# Altium PCB DM4K.pcbdoc (part 3 of 4)
Units mil, origin at the board's own origin, x right, y up, seen from the top; angles counter-clockwise.
Board outline 5262.35 x 2895 mil, 2 copper layers (Top Layer, Bottom Layer); 168 components, 255 nets, 1031 pads, 423 vias.
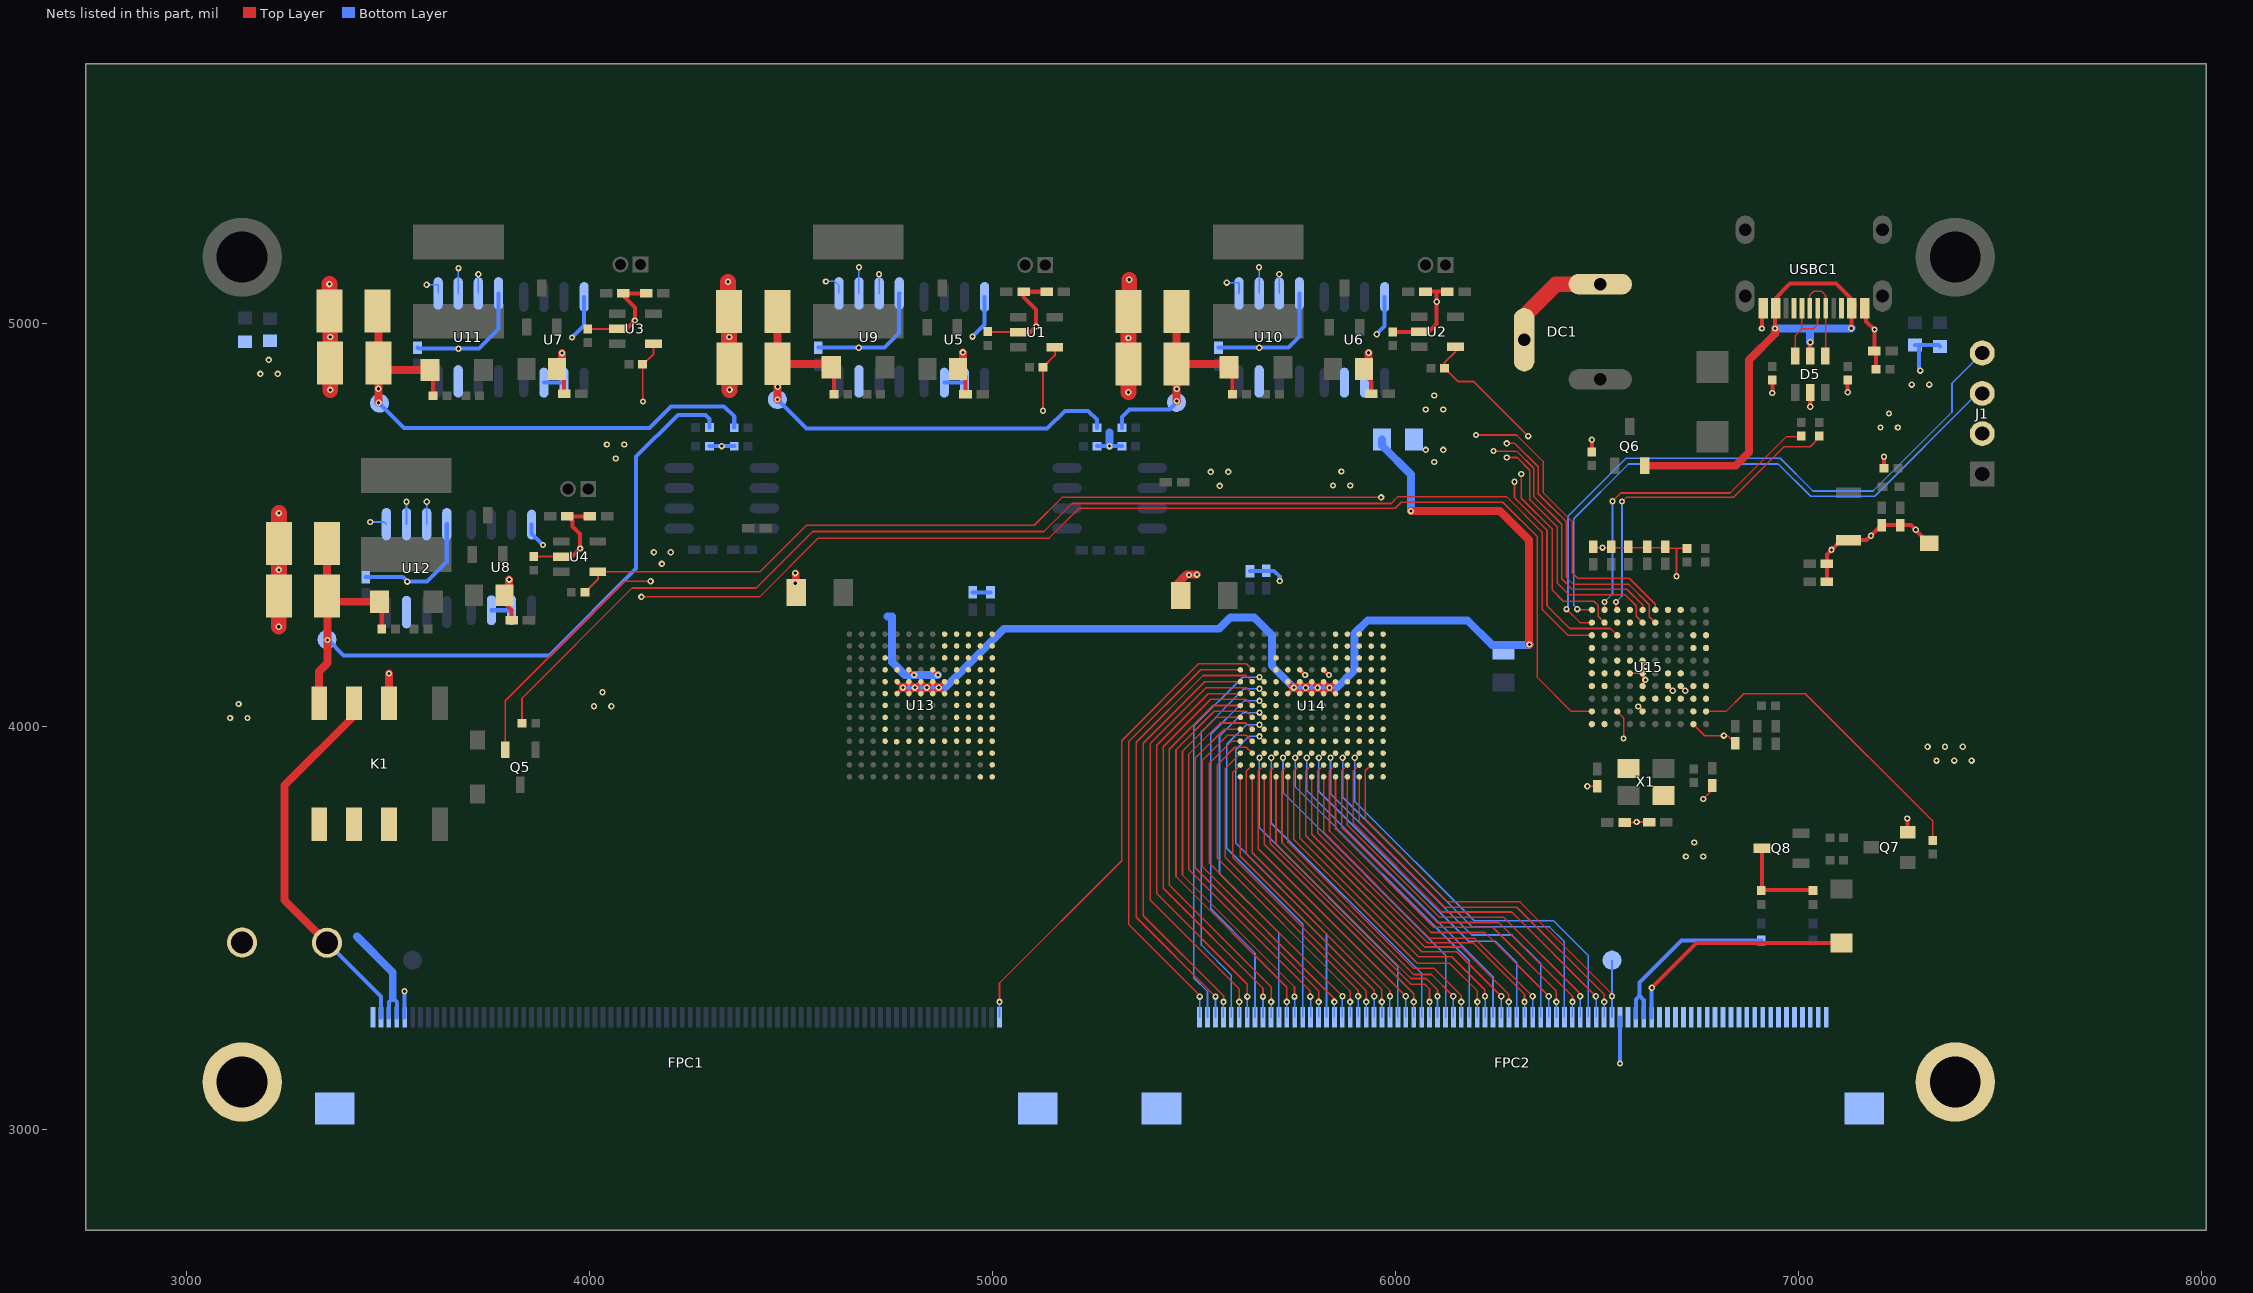
[diagram p3: the nets of this part, all layers, seen from the top]

## Via types
v1: diameter 15.75, hole 7.87, Top Layer to Bottom Layer, 258 vias
v2: diameter 15.75, hole 7.91, Top Layer to Bottom Layer, 165 vias

## Nets (pads, with @x,y where several pads share a name; then routed paths per layer and width w, separated by ;. In a path a pad name is that pad's centre, name@x,y a point inside that pad or via, vN(x,y) a via of type N, cw(c..) or ccw(c..) an arc to the next point about the centre after c; other vN are vias at no path point) (continued)
B11: FPC1.1 U14.K12 | length 1221.2
  Top Layer w4.02: v1(5017.69,3317) 5017.69,3364 5320.69,3667 5320.69,3965 5511.62,4155.93 5629.89,4155.93 U14.K12@5644.74,4141.08
  Bottom Layer w4.02: FPC1.1@5017.72,3278.54 v1(5017.69,3317)
B12: FPC2.80 U14.K13 | length 1107.9
  Top Layer w4.02: v1(5514.69,3330) 5514.69,3333 5338.69,3509 5338.69,3963 5516.76,4141.08 U14.K13@5615.21,4141.08
  Bottom Layer w4.02: FPC2.80@5514.17,3278.54 5514.17,3329.49 v1(5514.69,3330)
B13: FPC2.79 U14.J11 | length 966.9
  Top Layer w4.02: v1(5662.69,4122.93) 5662.9,4122.93 5674.27,4111.56 U14.J11@5674.06,4111.56
  Bottom Layer w4.02: FPC2.79@5533.86,3278.54 5533.86,3342.82 5499.69,3377 5499.69,4001.46 5621.16,4122.93 v1(5662.69,4122.93)
B14: FPC2.78 U14.J12 | length 1127.3
  Top Layer w4.02: v1(5553.69,3330) 5356.69,3527 5356.69,3961 5522.62,4126.93 5629.37,4126.93 U14.J12@5644.74,4111.56
  Bottom Layer w4.02: FPC2.78@5553.54,3278.54 5553.54,3329.86 v1(5553.69,3330)
B15: FPC2.77 U14.J13 | length 1066.8
  Top Layer w4.02: v1(5573.69,3317) 5573.69,3332 5374.69,3531 5374.69,3959 5527.24,4111.56 U14.J13@5615.21,4111.56
  Bottom Layer w4.02: FPC2.77@5573.23,3278.54 5573.23,3316.55 v1(5573.69,3317)
B16: FPC2.76 U14.H11 | length 945.1
  Top Layer w4.02: v1(5662.69,4093.93) 5662.69,4093.62 5674.27,4082.03 U14.H11@5674.27,4082.34
  Bottom Layer w4.02: FPC2.76@5592.91,3278.54 5592.91,3383.77 5518.69,3458 5518.69,3988 5624.62,4093.93 v1(5662.69,4093.93)
B17: FPC2.75 U14.H12 | length 1087.8
  Top Layer w4.02: v1(5612.69,3317) 5612.69,3349 5391.69,3570 5391.69,3958 5530.62,4096.93 5629.84,4096.93 U14.H12@5644.74,4082.03
  Bottom Layer w4.02: FPC2.75@5612.6,3278.54 5612.69,3278.63 v1(5612.69,3317)
B18: FPC2.74 U14.H13 | length 1029.4
  Top Layer w4.02: U14.H13@5615.21,4082.03 5535.71,4082.03 5407.69,3954 5407.69,3586 5632.69,3361 v1(5632.69,3330)
  Bottom Layer w4.02: FPC2.74@5632.28,3278.54 5632.28,3329.6 v1(5632.69,3330)
B19: FPC2.73 U14.G11 | length 920
  Top Layer w4.02: v1@5662.69,4063.93 v1(5662.84,4063.93) U14.G11@5674.27,4052.5
  Bottom Layer w4.02: FPC2.73@5651.97,3278.54 5651.69,3278.83 5651.69,3438 5541.69,3548 5541.69,3981 5624.62,4063.93 v1(5662.84,4063.93)
B20: FPC2.72 U14.G12 | length 1050.5
  Top Layer w4.02: U14.G12@5644.74,4052.5 5629.31,4067.93 5541.62,4067.93 5423.69,3950 5423.69,3599 5671.69,3351 v1(5671.69,3330)
  Bottom Layer w4.02: FPC2.72@5671.65,3278.54 v1(5671.69,3330)
B21: FPC2.71 U14.G13 | length 991.9
  Top Layer w4.02: U14.G13@5615.21,4052.5 5547.18,4052.5 5438.69,3944 5438.69,3607 5691.69,3354 v1(5691.69,3317)
  Bottom Layer w4.02: FPC2.71@5691.34,3278.54 5691.69,3278.89 v1(5691.69,3317)
B22: FPC2.70 U14.F11 | length 898.7
  Top Layer w4.02: v1(5662.69,4034.93) 5662.69,4034.56 U14.F11@5674.27,4022.97
  Bottom Layer w4.02: v1(5662.69,4034.93) 5622.62,4034.93 5563.69,3976 5563.69,3635 5711.02,3487.66 FPC2.70@5711.02,3278.54
B23: FPC2.69 U14.F12 | length 1012.9
  Top Layer w4.02: U14.F12@5644.74,4022.97 5629.78,4037.93 5550.62,4037.93 5455.69,3943 5455.69,3628 5730.69,3353 v1(5730.69,3317)
  Bottom Layer w4.02: FPC2.69@5730.71,3278.54 v1(5730.69,3317)
B24: FPC2.68 U14.F13 | length 954.2
  Top Layer w4.02: U14.F13@5615.21,4022.97 5555.65,4022.97 5471.69,3939 5471.69,3632 5749.69,3354 v1(5749.69,3330)
  Bottom Layer w4.02: v1(5749.69,3330) 5750.39,3329.29 FPC2.68@5750.39,3278.54
B25: FPC2.67 U14.E11 | length 873.1
  Top Layer w4.02: v1(5662.69,4004.93) 5662.79,4004.93 U14.E11@5674.27,3993.45
  Bottom Layer w4.02: v1(5662.69,4004.93) 5630.62,4004.93 5581.69,3956 5581.69,3698.24 5770.08,3509.84 FPC2.67@5770.08,3278.54
B26: FPC2.66 U14.E12 | length 973.9
  Top Layer w4.02: U14.E12@5644.74,3993.45 5629.26,4008.93 5564.62,4008.93 5487.69,3932 5487.69,3645 5788.69,3344 v1(5788.69,3330)
  Bottom Layer w4.02: v1(5788.69,3330) 5789.76,3328.92 FPC2.66@5789.76,3278.54
B27: FPC2.65 U14.E13 | length 911.4
  Top Layer w4.02: U14.E13@5615.21,3993.45 5575.13,3993.45 5503.69,3922 5503.69,3650 5809.69,3344 v1(5809.69,3317)
  Bottom Layer w4.02: FPC2.65@5809.45,3278.54 5809.45,3316.77 v1(5809.69,3317)
B28: FPC2.64 U14.D11 | length 847.7
  Top Layer w4.02: v1(5662.69,3975.93) 5662.69,3975.51 5674.27,3963.92 U14.D11@5674.27,3964.34
  Bottom Layer w4.02: v1(5662.69,3975.93) 5636.62,3975.93 5603.69,3943 5603.69,3711 5829.13,3485.55 FPC2.64@5829.13,3278.54
B29: FPC2.63 U14.D12 | length 929.7
  Top Layer w4.02: U14.D12@5644.74,3963.92 5629.73,3978.93 5583.62,3978.93 5520.69,3916 5520.69,3653 5848.69,3325 v1(5848.69,3317)
  Bottom Layer w4.02: v1(5848.69,3317) 5848.82,3316.86 FPC2.63@5848.82,3278.54
B30: FPC2.62 U14.D13 | length 866.5
  Top Layer w4.02: U14.D13@5615.21,3963.92 5593.6,3963.92 5538.69,3909 5538.69,3661 v1(5868.69,3331)
  Bottom Layer w4.02: FPC2.62@5868.5,3278.54 5868.5,3330.82 v1(5868.69,3331)
B31: FPC2.61 U14.C12 | length 874.6
  Top Layer w4.02: U14.C12@5644.74,3934.39 5630.2,3948.93 5601.62,3948.93 5557.69,3905 5557.69,3674 5887.69,3344 v1(5887.69,3317)
  Bottom Layer w4.02: v1(5887.69,3317) 5888.19,3316.49 FPC2.61@5888.19,3278.54
B32: FPC2.60 U14.C13 | length 807.3
  Top Layer w4.02: U14.C13@5615.21,3933.53 5577.69,3896 5577.69,3675 5907.69,3345 v1(5907.69,3331)
  Bottom Layer w4.02: v1(5907.69,3331) 5907.87,3330.81 FPC2.60@5907.87,3278.54
B33: FPC2.59 U14.B13 | length 770.8
  Top Layer w4.02: U14.B13@5615.21,3904.53 5596.69,3886 5596.69,3675 5927.69,3344 v1(5927.69,3317)
  Bottom Layer w4.02: FPC2.59@5927.56,3278.54 5927.56,3316.88 v1(5927.69,3317)
B34: FPC2.58 U14.A13 | length 734.6
  Top Layer w4.02: U14.A13@5615.3,3875.25 5615.3,3678.38 5947.69,3346 v1(5947.69,3331)
  Bottom Layer w4.02: FPC2.58@5947.24,3278.54 5947.24,3330.56 v1(5947.69,3331)
B35: FPC2.57 U14.B12 | length 772.2
  Top Layer w4.02: U14.B12@5644.83,3904.77 5629.69,3889.63 5629.69,3684 5966.69,3347 v1(5966.69,3317)
  Bottom Layer w4.02: v1(5966.69,3317) 5966.93,3316.75 FPC2.57@5966.93,3278.54
B36: FPC2.56 U14.A12 | length 738.3
  Top Layer w4.02: U14.A12@5644.83,3875.25 5644.83,3686.85 5986.69,3345 v1(5986.69,3331)
  Bottom Layer w4.02: FPC2.56@5986.61,3278.54 5986.61,3330.93 v1(5986.69,3331)
B37: FPC2.55 U14.C11 | length 803.1
  Top Layer w4.02: v1(5662.69,3922.93) 5674.14,3934.39 U14.C11@5674.27,3934.39
  Bottom Layer w4.02: v1(5662.69,3922.93) 5662.69,3749 6006.3,3405.38 FPC2.55@6006.3,3278.54
B38: FPC2.54 U14.B11 | length 784
  Top Layer w4.02: U14.B11@5674.36,3904.77 5659.69,3890.1 5659.69,3697 v1(6025.69,3331)
  Bottom Layer w4.02: v1(6025.69,3331) 6025.98,3330.7 FPC2.54@6025.98,3278.54
B39: FPC2.53 U14.A11 | length 750.5
  Top Layer w4.02: U14.A11@5674.36,3875.25 5674.36,3708.32 6045.69,3337 v1(6045.69,3317)
  Bottom Layer w4.02: FPC2.53@6045.67,3278.54 v1(6045.69,3317)
B40: FPC2.52 U14.C10 | length 815.8
  Top Layer w4.02: v1@5692.19,3923.33 v1(5692.19,3923) 5692.59,3923 U14.C10@5703.89,3934.3
  Bottom Layer w4.02: v1(5692.19,3923) 5692.19,3760.5 6065.35,3387.33 FPC2.52@6065.35,3278.54
B41: FPC2.51 U14.B10 | length 815.8
  Top Layer w4.02: U14.B10@5703.89,3904.77 5689.69,3890.57 5689.69,3710 6038.69,3361 6072.69,3361 6084.69,3349 v1(6084.69,3317)
  Bottom Layer w4.02: v1(6084.69,3317) 6085.04,3316.64 FPC2.51@6085.04,3278.54
B42: FPC2.50 U14.A10 | length 784.9
  Top Layer w4.02: U14.A10@5703.89,3875.25 5703.89,3709.79 6038.69,3375 6076.69,3375 6104.69,3347 v1(6104.69,3331)
  Bottom Layer w4.02: FPC2.50@6104.72,3278.54 v1(6104.69,3331)
B43: FPC2.49 U14.C9 | length 828.6
  Top Layer w4.02: v1(5721.19,3923) 5721.37,3923 5722.11,3923 U14.C9@5733.41,3934.3
  Bottom Layer w4.02: v1(5721.19,3923) 5721.19,3836.5 6124.69,3433 6124.69,3278.82 FPC2.49@6124.41,3278.54
B44: FPC2.48 U14.B9 | length 834.3
  Top Layer w4.02: U14.B9@5733.41,3904.77 5718.69,3890.05 5718.69,3712 6045.69,3385 6089.69,3385 v1(6143.69,3331)
  Bottom Layer w4.02: v1(6143.69,3331) 6144.09,3330.59 FPC2.48@6144.09,3278.54
B45: FPC2.47 U14.A9 | length 804.8
  Top Layer w4.02: U14.A9@5733.41,3875.25 5733.41,3712.27 6045.69,3400 6096.69,3400 6163.69,3333 v1(6163.69,3317)
  Bottom Layer w4.02: v1(6163.69,3317) 6163.78,3316.9 FPC2.47@6163.78,3278.54
B46: FPC2.46 U14.C8 | length 840.1
  Top Layer w4.02: v1(5751.19,3923) 5751.64,3923 U14.C8@5762.94,3934.3
  Bottom Layer w4.02: v1(5751.19,3923) 5751.19,3851.5 6183.69,3419 6183.69,3278.77 FPC2.46@6183.46,3278.54
B47: FPC2.45 U14.B8 | length 868.5
  Top Layer w4.02: U14.B8@5762.94,3904.77 5747.69,3889.52 5747.69,3720 6054.69,3413 6134.69,3413 6203.69,3344 v1(6203.69,3317)
  Bottom Layer w4.02: FPC2.45@6203.15,3278.54 6203.15,3316.47 v1(6203.69,3317)
B48: FPC2.44 U14.A8 | length 835.2
  Top Layer w4.02: U14.A8@5762.94,3875.25 5762.94,3723.74 6057.69,3429 6139.69,3429 6221.69,3347 6221.69,3332 v1(6222.69,3331)
  Bottom Layer w4.02: v1(6222.69,3331) 6222.83,3330.85 FPC2.44@6222.83,3278.54
B49: FPC2.43 U14.C7 | length 852.9
  Top Layer w4.02: v1(5780.19,3923) 5780.43,3923 5781.17,3923 U14.C7@5792.47,3934.3
  Bottom Layer w4.02: v1(5780.19,3923) 5780.19,3841.5 6242.52,3379.16 FPC2.43@6242.52,3278.54
B50: FPC2.42 U14.B7 | length 884.4
  Top Layer w4.02: U14.B7@5792.47,3904.77 5777.69,3889.99 5777.69,3729 6065.69,3441 6152.69,3441 v1(6262.69,3331)
  Bottom Layer w4.02: FPC2.42@6262.2,3278.54 6262.69,3279.03 v1(6262.69,3331)
B51: FPC2.41 U14.A7 | length 852.7
  Top Layer w4.02: U14.A7@5792.47,3875.25 5792.47,3733.21 6072.69,3453 6163.69,3453 6281.69,3335 v1(6281.69,3317)
  Bottom Layer w4.02: v1(6281.69,3317) 6281.89,3316.79 FPC2.41@6281.89,3278.54
B52: FPC2.40 U14.C6 | length 903.5
  Top Layer w4.02: v1@5810.19,3923.22 v1(5810.19,3923) 5810.7,3923 U14.C6@5822,3934.3
  Bottom Layer w4.02: v1(5810.19,3923) 5810.19,3839.5 6182.55,3467.13 6248.55,3467.13 6301.69,3414 6301.69,3278.66 FPC2.40@6301.57,3278.54
B53: FPC2.39 U14.B6 | length 911.1
  Top Layer w4.02: U14.B6@5822,3904.77 5807.69,3890.46 5807.69,3736 6079.69,3464 6192.69,3464 6320.69,3336 v1(6320.69,3317)
  Bottom Layer w4.02: v1(6320.69,3317) 6321.26,3316.42 FPC2.39@6321.26,3278.54
B54: FPC2.38 U14.A6 | length 877.3
  Top Layer w4.02: U14.A6@5822,3875.25 5822,3737.68 6084.69,3475 6196.69,3475 v1(6340.69,3331)
  Bottom Layer w4.02: v1(6340.69,3331) 6340.93,3330.75 FPC2.38@6340.93,3278.54
B55: FPC2.37 U14.C5 | length 936
  Top Layer w4.02: v1(5839.19,3923) 5839.48,3923 5840.22,3923 U14.C5@5851.52,3934.3
  Bottom Layer w4.02: v1(5839.19,3923) 5839.19,3833.5 6189.69,3483 6289.69,3483 6360.63,3412.05 FPC2.37@6360.63,3278.54
B56: FPC2.36 U14.B5 | length 936.4
  Top Layer w4.02: U14.B5@5851.52,3904.77 5836.69,3889.94 5836.69,3740.94 6088.63,3489 6222.69,3489 v1(6380.69,3331)
  Bottom Layer w4.02: FPC2.36@6380.3,3278.54 6380.3,3330.62 v1(6380.69,3331)
B57: FPC2.35 U14.A5 | length 909.7
  Top Layer w4.02: U14.A5@5851.52,3875.25 5851.52,3745.77 6095.29,3502 6241.69,3502 6399.69,3344 v1(6399.69,3317)
  Bottom Layer w4.02: v1(6399.69,3317) 6400,3316.68 FPC2.35@6400,3278.54
B58: FPC2.34 U14.C4 | length 1001.7
  Top Layer w4.02: v1@5869.19,3923.17 v1(5869.19,3923) 5869.75,3923 U14.C4@5881.05,3934.3
  Bottom Layer w4.02: v1(5869.19,3923) 5869.19,3824.5 6190.69,3503 6382.69,3503 6419.67,3466.01 FPC2.34@6419.67,3278.54
B59: FPC2.33 U14.B4 | length 959.5
  Top Layer w4.02: U14.B4@5881.05,3904.77 5866.69,3890.41 5866.69,3750.55 6103.24,3514 6256.69,3514 6439.69,3331 v1(6439.69,3317)
  Bottom Layer w4.02: FPC2.33@6439.37,3278.54 6439.37,3316.69 v1(6439.69,3317)
B60: FPC2.32 U14.A4 | length 929.3
  Top Layer w4.02: U14.A4@5881.05,3875.25 5881.05,3755.63 6109.69,3527 6268.69,3527 6458.69,3337 v1(6458.69,3331)
  Bottom Layer w4.02: v1(6458.69,3331) 6459.04,3330.64 FPC2.32@6459.04,3278.54
B61: FPC2.31 U14.C3 | length 1016.5
  Top Layer w4.02: v1(5899.19,3923) v1@5899.19,3923.64 ; v1@5899.28,3923 U14.C3@5910.58,3934.3
  Bottom Layer w4.02: v1(5899.19,3923) 5899.19,3814.5 6195.69,3518 6392.69,3518 6478.74,3431.94 FPC2.31@6478.74,3278.54
B62: FPC2.30 U14.B3 | length 983.4
  Top Layer w4.02: U14.B3@5910.58,3904.77 5895.69,3889.88 5895.69,3760 6115.69,3540 6288.69,3540 v1(6497.69,3331)
  Bottom Layer w4.02: v1(6497.69,3331) 6498.41,3330.27 FPC2.30@6498.41,3278.54
B63: FPC2.29 U14.A3 | length 953.8
  Top Layer w4.02: U14.A3@5910.58,3875.25 5910.58,3763.87 6122.46,3552 6301.69,3552 6518.69,3335 v1(6518.69,3317)
  Bottom Layer w4.02: FPC2.29@6518.11,3278.54 6518.11,3316.43 v1(6518.69,3317)
B64: FPC2.28 T6.1 U14.B2 | length 1079.8
  Top Layer w4.02: U14.B2@5940.11,3904.77 5925.69,3890.35 5925.69,3770.23 6130.92,3565 6309.36,3565 6537.69,3336.68 v1(6537.69,3331)
  Bottom Layer w4.02: FPC2.28@6537.78,3278.54 6537.78,3330.9 v1(6537.69,3331) 6537.69,3420.38 T6.1@6537.78,3420.48
CHIP_VCC: C15.2 C19.2 D3.2 FPC1.76 FPC2.27 R15.2 R27.2 T3.1 | length 6402.9
  Top Layer w10: D3.2@3603.57,4885 3612.14,4876.44 R15.2@3612.14,4821.02
  Top Layer w19.68: C19.2@3473.99,5031.65 3475.95,5029.68 C15.2@3475.95,4902.21 ; v2(3476.69,4804) 3475.95,4804.74 v2(3475.95,4838.71) C15.2@3475.95,4902.21 ; D3.2@3603.57,4885 3493.15,4885 C15.2@3475.95,4902.21
  Inner2 w19.68: v2(3475.95,4838.71) 3476.69,4837.97 v2(3476.69,4804) 3283.69,4611 3283.69,3663 3540.69,3406 v2(3540.69,3343.4) 3540.69,3258.45 3635.13,3164 v2(6557.69,3164)
  Bottom Layer w10: v2(3476.69,4804) 3539.69,4741 4148.69,4741 4202.69,4795 4333.69,4795 4359.27,4769.42 R27.2@4359.27,4742 ; v2(3540.69,3343.4) 3541.34,3342.75 FPC1.76@3541.34,3278.54 ; FPC2.27@6557.48,3278.54 6557.48,3164.2 v2(6557.69,3164)
COVER: FPC1.79 K1.3 U17.1 | length 950.5
  Top Layer w19.68: U17.1@3348.59,3463.7 3242.69,3569.6 3242.69,3854 3415.91,4027.23 K1.3@3415.91,4058.01
  Bottom Layer w10: U17.1@3348.59,3463.7 3482.29,3330 FPC1.79@3482.29,3278.54
COVER_LED: D8.2 FPC2.23 | length 590.2
  Top Layer w10: v2(6636.69,3352) 6747.76,3463.07 D8.2@7107.26,3463.07
  Bottom Layer w10: FPC2.23@6636.22,3278.54 6636.22,3351.54 v2(6636.69,3352)
COVER_SW: R45.1 U15.A8 | length 3179.8
  Top Layer w4.02: R45.1@3832.48,4008 3832.48,4070.8 4105.69,4344 4413.69,4344 4554.04,4484.36 5128.04,4484.36 5197.69,4554 5989.6,4554 6006.6,4571 6275.69,4571 6364.69,4482 6364.69,4290.82 6428.73,4226.77 U15.A8@6487.74,4226.77
DGND: C1.1 C2.1 C3.1 C4.1 C5.1 C6.1 C7.1 C8.1 C20.2 C21.2 C22.2 C24.2 C29.1 C30.1 C31.1 C32.1 C33.1 C34.2 C35.2 C37.1 C39.1 C40.1 C41.1 C42.2 C43.1 C44.2 C45.1 C46.1 C47.1 C48.1 C49.1 C52.1 D5.2 D6.2 DC1.2 DC1.3 J1.2 Q5.2 Q7.2 R5.1 R6.1 R7.1 R8.1 R21.2 R33.2 R34.2 R35.1 R40.1 R41.1 R46.2 R47.1 U1.2 U2.2 U3.2 U4.2 U5.4 U6.4 U7.4 U8.4 U9.4 U10.4 U11.4 U12.4 U13.K6 U13.K8 U14.K6 U14.K8 U15.C2 U15.D5 U15.E4 U15.E5 U15.E6 U15.J1 U16.1 USBC1.A1 USBC1.A12 USBC1.B1 USBC1.B12 | length 9577.4
  Top Layer w4.02: Q5.2@3791.16,3942.65 3791.16,4064.47 4087.69,4361 v2(4151.69,4361) ; v1(6476.69,3852) 6495.68,3852.01 6495.75,3851.93 C48.1@6501.5,3851.93 ; C47.1@6491.7,4436.23 6491.7,4444.33 v1(6514.31,4444.29) 6670.1,4444.33 C44.2@6670.1,4447.03 ; U15.C2@6550.73,4037.79 6566.47,4022.05 v1(6566.47,3970.76) ; C34.2@6569.23,3762.2 6598,3762.23 6598.9,3763.23 C35.2@6629.66,3763.2 ; U15.D5@6582.23,4132.28 U15.E5@6613.72,4132.28 ; U15.E4@6613.72,4100.79 U15.E5@6613.72,4132.28 ; v1(6621.69,4149) 6613.72,4141.04 U15.E5@6613.72,4132.28 ; C44.2@6670.1,4437.23 6675.5,4442.63 6697.81,4442.63 ; v1(6697.7,4373.42) 6697.71,4442.52 6697.81,4442.63 ; R40.1@6723.9,4442.63 6697.81,4442.63 ; U15.J1@6739.71,4006.3 6768.25,3977.76 v1(6815.49,3977.76) 6824.5,3977.73 C46.1@6844,3958.23 ; v1@6764.3,3820.23 6786.9,3842.83 C45.1@6786.95,3853.93
  Top Layer w5: R8.1@3861.45,4422.27 3861.6,4422.12 U4.2@3930.14,4422.12 ; R7.1@3995.2,4987.04 3995.62,4987.45 U3.2@4068.48,4987.45 ; R5.1@4988.68,4980.6 4990.03,4979.25 U1.2@5064.53,4979.25
  Top Layer w10: U4.2@3930.14,4422.12 3956.81,4422.12 v2(3976.69,4442) 3976.69,4478 3957.69,4497 3957.69,4509.36 C8.1@3944.94,4522.12 C4.1@4000.88,4522.11 ; U3.2@4068.48,4987.45 4092.14,4987.45 v2(4112.69,5008) 4112.69,5040 4083.94,5068.74 C7.1@4083.94,5075.3 C3.1@4140.43,5075.29 ; U13.K8@4792.85,4141.14 v1@4805.64,4128.35 ; U13.K6@4851.91,4141.14 v1(4864.7,4128.35) ; U1.2@5064.53,4979.25 5094.94,4979.25 v2(5108.69,4993) 5108.69,5035 5077.2,5066.49 C5.1@5077.2,5079.38 C1.1@5134.67,5079.37 ; U14.K8@5762.94,4140.99 5775.59,4128.35 v1(5776.12,4128.35) ; U14.K6@5822,4140.99 5834.64,4128.35 v1(5835.17,4128.35) ; R6.1@5994,4979.79 6058.51,4979.79 U2.2@6059.05,4980.33 6084.02,4980.33 6102.69,4999 v2(6102.69,5054.55) 6102.69,5079.49 ; C6.1@6074.87,5079.49 6102.69,5079.49 ; C2.1@6129.39,5079.48 6102.69,5079.49 ; R46.2@6487.74,4681.75 v2(6487.74,4711.94) ; v1(6909.69,4988) 6909.69,5015.41 6918.55,5024.27 USBC1.B1@6918.55,5038.41 ; R33.2@6935.61,4860.32 6935.61,4828.07 v2(6935.69,4828) ; v2(7029.77,4794) D5.2@7029.77,4829.3 ; C37.1@7070.95,4359.31 C39.1@7070.95,4404.59 7070.95,4427.26 v2(7082.38,4438.69) 7106.43,4462.74 U16.1@7124.36,4462.74 7169.32,4462.74 v2(7180.42,4473.85) C41.1@7206.87,4500.29 C40.1@7253.23,4500.33 7279.91,4500.33 v2(7291.6,4488.65) D6.2@7325.08,4455.17 ; v2(7122.63,4830) R35.1@7122.63,4860.32 ; USBC1.B12@7158.7,5038.41 7168.69,5028.44 7168.69,5006 v1(7189.06,4985.63) C33.1@7189.06,4932.41 7193.49,4927.98 R34.2@7193.49,4887.12 ; v2(7212.69,4670) 7212.69,4641.8 R41.1@7213.37,4641.12 ; v2(7270.69,3772) 7270.69,3739.03 Q7.2@7271.84,3737.87
  Top Layer w39.37: DC1.2@6319.81,4960.32 6319.81,5019.32 6398.6,5098.11 DC1.3@6508.79,5098.11
  Inner1 w19.68: v1(5713.13,4361.61) 5713.1,4171.63 5756.4,4128.33 5776.1,4128.33 v1@5835.18,4128.35
  Inner1 w39.37: v2(3547.65,4360) 3674.69,4487.03 3674.69,4500.73 ; v2(3976.69,4442) 3832.69,4442 3773.96,4500.73 3674.69,4500.73 ; v2(6102.69,5054.55) 6021.13,4973 5831.69,4973 5797.69,4939 5664.03,4939 v2(5662.4,4940.63) 5595.03,5008 5123.69,5008 v2(5108.69,4993) 5083.88,4968.19 4823.88,4968.19 4796.32,4940.63 v2(4668.27,4940.63) 4599.9,5009 4112.69,5009 4069.24,4965.56 3702.24,4965.56 v2(3674.69,4938) 3674.69,4500.73
  Bottom Layer w10: C24.2@3444.55,4371.14 3536.51,4371.15 v2(3547.65,4360) 3596.69,4360 3645.69,4409 3645.69,4502.36 U12.4@3645.87,4502.54 ; C22.2@3573.06,4940.63 3575.69,4938 v2(3674.69,4938) 3725.69,4938 3774.2,4986.51 U11.4@3774.2,5075.27 ; U8.4@3856.49,4501.41 3856.49,4479.19 v2(3884.69,4451) ; v2(3956.69,4966) 3986.8,4996.11 U7.4@3986.8,5066.4 ; C20.2@4567.76,4940.63 v2(4668.27,4940.63) 4732.32,4940.63 4768.69,4977 4768.69,5074.91 U9.4@4769.05,5075.27 ; C30.1@4950.6,4333.53 C29.1@4995.3,4333.54 ; v2(4950.69,4968) 4980.66,4997.97 U5.4@4980.66,5066.4 ; C21.2@5561.09,4940.63 v2(5662.4,4940.63) 5734.32,4940.63 5761.69,4968 5761.69,5075 U10.4@5761.95,5075.27 ; C31.1@5639.32,4386.02 C32.1@5679.18,4386.52 5699.26,4386.53 5713.13,4372.66 v1(5713.13,4361.61) ; v2(5953.69,4974) 5973.57,4993.88 U6.4@5973.57,5066.4 ; C52.1@7289.76,4947.44 C52.1@7300.17,4947.44 ; v2(7302.74,4883.58) 7300.17,4886.15 C52.1@7300.17,4947.44 ; R47.1@7351.72,4943.34 7347.62,4947.44 C52.1@7300.17,4947.44
  Bottom Layer w19.68: 4739.7,4273.03 4750.5,4273.03 4750.5,4160.83 4783,4128.33 v1@4805.6,4128.33 ; v1(4805.65,4128.35) v1(4864.7,4128.35)
  other v1: 6598.95,3763.19 6764.31,3820.28
  other v2: 6721.11,3677.64 6764.27,3677.64 6742.11,3712.36 7343.27,3915.64 7387.11,3915.64 7430.27,3915.64 7321.11,3950.36 7364.27,3950.36 7408.11,3950.36 6620.69,4116 4179.69,4404 4159.69,4433 4201.59,4433 5564.27,4597.64 5845.11,4598.64 5888.27,4598.64 5542.11,4632.36 5585.27,4632.36 5866.11,4633.36 6096.69,4657 6075.69,4687 6118.85,4687 7204.11,4742.64 7247.27,4742.64 7225.11,4777.36 6075.69,4787 6118.85,4787 6096.69,4821.72 7281.74,4848.86 7324.9,4848.86
DN: D5.4 USBC1.A7 USBC1.B7 | length 231.6
  Top Layer w4.02: USBC1.A7@7028.79,5038.41 7028.79,5071.1 7038.69,5081 7057.69,5081 7067.69,5071 7067.69,5038.89 USBC1.B7@7068.16,5038.41 7068.16,4920.77 D5.4@7067.17,4919.78
DP: D5.6 USBC1.A6 USBC1.B6 | length 209.3
  Top Layer w4.02: D5.6@6992.37,4919.78 6992.37,4970.56 7009.1,4987.29 ; USBC1.B6@7009.1,5038.41 7009.1,4987.29 ; USBC1.A6@7048.47,5038.41 7047.69,5037.63 7047.69,4998 7036.97,4987.29 7009.1,4987.29
EN1: R1.1 U1.4 U15.G4 | length 2653.9
  Top Layer w4.02: U15.G4@6676.71,4100.79 6688.51,4089 v2(6688.69,4089)
  Top Layer w5: v2(5125.69,4784) 5125.69,4892.47 R1.1@5125.77,4892.55 5154.89,4921.67 U1.4@5154.89,4941.85
  Inner1 w4.02: v2(5125.69,4784) 5227.69,4784 5265.69,4746 6331.69,4746 6476.69,4601 6718.69,4601 6934.69,4385 6934.69,4197 6809.69,4072 6705.69,4072 v2(6688.69,4089)
EN2: R2.1 U2.4 U15.H4 | length 1514.1
  Top Layer w4.02: U15.H4@6708.21,4100.79 v2@6719.69,4089.32
  Top Layer w5: U2.4@6149.41,4942.93 6149.41,4930.94 6122.39,4903.92 R2.1@6122.4,4889.78 6155.39,4856.78 6193.9,4856.78 v2(6329.69,4721) ; U15.H4@6708.21,4100.47 U15.H4@6708.21,4100.79 ; v2(6719.69,4089) v2@6719.69,4089.32
  Inner1 w4.02: v2(6329.69,4721) 6329.69,4720 6467.69,4582 6716.69,4582 6920.69,4378 6920.69,4205 6804.69,4089 v2(6719.69,4089)
EN3: R3.1 U3.4 U15.F10 | length 3010.2
  Top Layer w4.02: R3.1@4131.69,4899.15 4131.69,4808 v2(4132.69,4807) ; v2(6200.12,4724) 6300.69,4724 6366.69,4658 6366.69,4581 6438.69,4509 6438.69,4382 6452.69,4368 6580.69,4368 6645.22,4303.46 U15.F10@6645.22,4289.76
  Top Layer w5: R3.1@4131.69,4899.15 4133.61,4899.15 4158.84,4924.38 U3.4@4158.84,4950.05
  Inner1 w5: v2(4132.69,4807) 4215.69,4724 v2(6200.12,4724)
EN4: R4.1 U4.4 U15.E2 | length 3004.4
  Top Layer w4.02: U4.4@4020.5,4384.72 4423.41,4384.72 4538.69,4500 5103.69,4500 5172.69,4569 v2(5964.69,4569) ; v2(6602.69,4050) 6602.69,4048.83 U15.E2@6613.72,4037.79
  Top Layer w5: R4.1@3988.8,4333.54 4020.5,4365.24 U4.4@4020.5,4384.72
  Inner1 w4.02: v2(5964.69,4569) 6004.69,4529 6004.69,4501 6348.69,4157 6552.69,4157 6586.69,4123 6586.69,4066 v2(6602.69,4050)
HVGND: C9.1 C10.1 C11.1 C12.1 C13.1 C14.1 C15.1 C16.1 C17.1 C18.1 C19.1 C23.1 C53.1 FPC1.77 FPC1.78 K1.2 R9.2 R10.2 R11.2 R12.2 R21.1 R22.1 R24.1 R26.1 R28.1 R30.1 R48.1 U5.6 U5.7 U6.6 U6.7 U7.6 U7.7 U8.6 U8.7 U9.7 U10.7 U11.7 U12.7 U13.H5 U13.H6 U13.H7 U13.H8 U13.H9 U13.J5 U13.J6 U13.J7 U13.J8 U13.J9 U14.H5 U14.H6 U14.H7 U14.H8 U14.H9 U14.J5 U14.J6 U14.J7 U14.J8 U14.J9 U20.1 | length 5528.1
  Top Layer w10: R12.2@3788.83,4326.12 3788.83,4306.82 3806.66,4288.99 C12.1@3806.66,4264.22 ; R11.2@3919.73,4887.73 3937,4870.46 C11.1@3936.99,4826 ; U13.H9@4763.32,4082.09 v1(4778.09,4096.85) ; U13.J9@4763.32,4111.62 v1(4778.09,4096.85) ; v1(4807.56,4096.8) U13.H8@4792.85,4082.09 v1(4778.09,4096.85) ; v1(4837.18,4096.89) U13.J6@4851.91,4111.62 v1(4866.69,4096.88) ; v1(4866.69,4096.88) U13.J5@4881.43,4111.62 ; U13.H5@4881.43,4082.09 v1(4866.69,4096.88) ; R9.2@4914.73,4887.73 4933.23,4869.24 C9.1@4933.22,4824.72 ; U14.H9@5733.41,4081.94 v1@5748.18,4096.71 ; U14.J9@5733.41,4111.47 v1(5748.1,4096.78) v1@5748.18,4096.71 ; v1(5807.21,4096.73) U14.J7@5792.47,4111.47 v1(5777.69,4096.72) ; U14.H5@5851.52,4081.95 v1(5836.76,4096.71) ; U14.J5@5851.52,4111.47 v1(5836.76,4096.71) ; R10.2@5921.73,4887.73 5921.73,4873.59 5940.23,4855.09 C10.1@5940.22,4826.22 ; v1(4778.09,4096.85) U13.J8@4792.85,4111.62 v1@4807.62,4096.86 ; v1@4807.62,4096.86 U13.J7@4822.38,4111.62 v1@4837.15,4096.86 ; v1@4807.62,4096.86 U13.H7@4822.38,4082.09 v1@4837.15,4096.86 ; v1@4837.15,4096.86 U13.H6@4851.91,4082.09 v1(4866.69,4096.88) ; v1@5748.18,4096.71 U14.J8@5762.94,4111.47 v1(5777.69,4096.72) ; v1@5748.18,4096.71 U14.H8@5762.94,4081.94 v1(5777.69,4096.72) ; v1(5777.69,4096.72) U14.H7@5792.47,4081.94 v1(5807.21,4096.73) ; v1(5807.21,4096.73) U14.J6@5822,4111.47 v1(5836.76,4096.71) ; v1(5807.21,4096.73) U14.H6@5822,4081.94 v1(5836.76,4096.71)
  Top Layer w19.68: C19.1@3354.5,5031.65 C19.1@3356.47,5029.68 ; K1.2@3502.53,4058.01 v2(3502.53,4132) ; R12.2@3788.83,4326.12 3800.69,4337.98 v2(3800.69,4365) ; R11.2@3919.73,4887.73 3931.69,4899.7 v2(3931.69,4927) ; C13.1@4346.61,4901.56 C13.1@4347.59,4900.58 ; R9.2@4914.73,4887.73 4926.69,4899.7 v2(4926.69,4929) ; R10.2@5921.73,4887.73 5933.69,4899.7 v2(5933.69,4928) ; v2(6038.69,4535) 6259.69,4535 6331.69,4463 6331.69,4205 v2(6332.69,4204)
  Top Layer w39.37: v2(3228.69,4248) 3228.69,4303 C16.1@3232.69,4307 ; C16.1@3229.11,4324.36 v2(3229.11,4389.19) C23.1@3229.11,4454.29 v2(3229.11,4530) ; C19.1@3354.5,5031.65 v2(3354.5,5098.39) ; v2(3356.46,4835.93) 3356.69,4836.15 C15.1@3356.69,4887 ; C15.1@3356.47,4902.2 v2(3356.47,4967.16) C19.1@3356.47,5029.68 ; C17.1@4343.69,5040 v2(4343.69,5104) ; C13.1@4346.61,4901.56 v2(4346.61,4967.17) C17.1@4346.61,5030.5 ; v2(4347.69,4836) 4347.69,4884 C13.1@4350.69,4887 ; v2(5337.48,4830) C14.1@5337.48,4899.69 v2(5337.48,4964.75) C18.1@5337.48,5030.27 ; C18.1@5339.69,5049 v2(5339.69,5109)
  Inner2 w19.68: v2(5290.45,4696.26) 5290.45,4723
  Bottom Layer w10: FPC1.78@3501.97,3278.54 3501.97,3316.28 3511.69,3326 3521.66,3316.03 FPC1.77@3521.66,3278.54 ; U8.7@3756.49,4288.89 U8.6@3806.49,4288.89 ; U7.7@3886.8,4853.88 U7.6@3936.8,4853.88 ; R30.1@4297.36,4696.44 4297.53,4696.27 v2(4328.18,4696.27) R28.1@4359.28,4696.27 ; U5.7@4880.66,4853.88 U5.6@4930.66,4853.88 ; R24.1@5259.65,4696.26 v2(5290.45,4696.26) R26.1@5321.11,4696.26
  Bottom Layer w19.68: 3422.69,3479 3511.69,3390 3511.69,3326 ; v1@4778.1,4096.83 v1(4807.56,4096.8) 4837.18,4096.83 4866.69,4096.83 4882.4,4096.83 5028.57,4243 5562.53,4243 5590.53,4271 5649.69,4271 5687.44,4233.25 5687.44,4232.71 5693.4,4226.73 5693.4,4151.43 v1(5748.1,4096.78) 5777.69,4096.8 5807.21,4096.77 v1(5836.76,4096.71) ; v2(5290.45,4696.26) 5290.45,4730 ; v1(5836.76,4096.71) 5854.48,4096.71 5898.69,4140.92 5898.69,4231 5931.69,4264 6178.69,4264 6239.69,4203 6331.69,4203 v2(6332.69,4204) ; R21.1@5967.31,4712.74 5967.31,4697.38 6038.69,4626 v2(6038.69,4535)
  other v2: 3108.11,4021.64 3151.27,4021.64 4011.11,4050.64 4054.27,4050.64 3129.11,4056.36 4032.11,4085.36 4065.27,4665.64 4043.11,4700.36 4086.27,4700.36 3183.11,4875.64 3226.27,4875.64 3204.11,4910.36
ITO_GND: FPC2.24 FPC2.25 LED2.1 | length 493.6
  Bottom Layer w10: FPC2.25@6596.85,3278.54 6596.85,3322.88 6606.33,3332.36 ; FPC2.24@6616.52,3278.54 6616.52,3322.16 6606.33,3332.36 ; LED2.1@6908.69,3468.81 6710.5,3468.81 6606.33,3364.64 6606.33,3332.36
LED_CONNECT: R54.1 U15.K2 | length 760.3
  Top Layer w4.02: U15.K2@6771.2,4037.79 6820.48,4037.79 6864.69,4082 7017.69,4082 7334.09,3765.6 R54.1@7334.08,3717.52
LED_OUT: Q8.3 R43.1 R44.1 | length 232.8
  Top Layer w10: R43.1@6908.69,3593.04 R43.1@6909.79,3594.14 ; Q8.3@6909.79,3698 R43.1@6909.79,3594.14 ; R44.1@7036.69,3593.04 7035.6,3594.14 R43.1@6909.79,3594.14
SPI3_CS1: U9.1 U15.E9 | length 2674
  Top Layer w4.02: v1(6276.69,4668) 6302.34,4667.95 6333.69,4636.6 6333.69,4563.85 6402.1,4495.43 6402.1,4356.73 6431.84,4327 6570.64,4327 6597.8,4299.73 6597.8,4274.23 U15.E9@6613.7,4258.23
  Inner2 w4.02: v2(4586.69,5105) 4943.69,5105 5011.69,5037 5426.69,5037 5474.69,5085 5964.69,5085 6259.69,4790 6259.69,4685 v1(6276.69,4668)
  Bottom Layer w4.02: v2(4586.69,5105) 4608.84,5105 4619.05,5094.79 U9.1@4619.05,5075.27
SPI3_CS2: U10.1 U15.F9 | length 1666
  Top Layer w4.02: v1@6276.65,4703.03 6296.66,4703.03 6354.69,4645 6354.69,4578.25 6424.7,4508.23 6424.7,4370.43 6442.21,4353 6580.04,4353 6630.4,4302.63 6630.4,4273.03 U15.F9@6645.2,4258.23
  Inner2 w4.02: v2(5581.69,5102) 5978.44,5102 6276.69,4803.75 v1(6276.69,4703)
  Bottom Layer w4.02: v2(5581.69,5102) 5611.49,5102 5611.95,5101.54 U10.1@5611.95,5075.27
SPI3_CS3: U11.1 U15.E10 | length 3668.2
  Top Layer w4.02: v2(6243.69,4684) 6300.69,4684 6343.69,4641 6343.69,4571 6412.69,4502 6412.69,4367 6438.69,4341 6574.69,4341 6613.72,4301.96 U15.E10@6613.72,4289.76
  Inner2 w4.02: v2(3595.69,5097) 3603.69,5105 3969.69,5105 4028.69,5046 4380.69,5046 4420.69,5086 4939.69,5086 5003.69,5022 5435.69,5022 5484.69,5071 5955.69,5071 6242.69,4784 6242.69,4685 v2(6243.69,4684)
  Bottom Layer w4.02: v2(3595.69,5097) 3624.2,5097 U11.1@3624.2,5075.27
SPI3_CS4: U12.1 U15.A2 | length 3702.9
  Top Layer w4.02: v2(4128.69,4322) 4421.69,4322 4567.69,4468 5140.69,4468 5214.69,4542 5999.88,4542 6014.88,4557 6266.69,4557 6352.69,4471 6352.69,4122 6436.89,4037.79 U15.A2@6487.74,4037.79
  Inner2 w4.02: v2(3455.69,4508) 3475.69,4488 4021.69,4488 4077.69,4432 4077.69,4373 v2(4128.69,4322)
  Bottom Layer w4.02: v2(3455.69,4508) 3490.41,4508 U12.1@3495.87,4502.54
SPI3_MOSI: U9.3 U10.3 U11.3 U12.3 U15.C8 | length 4469
  Top Layer w4.02: v1(6295.69,4608) 6295.69,4568 6376.51,4487.18 6376.51,4300.18 6433.15,4243.53 6534.01,4243.53 U15.C8@6550.71,4226.73
  Inner2 w4.02: v2(3595.87,4558) 3595.69,4558.18 3595.69,4971.21 3563.69,5003.21 3563.69,5101 3585.69,5123 v2(3724.13,5123) 3973.69,5123 4033.69,5063 4374.69,5063 4434.69,5123 v2(4718.69,5123) 4960.69,5123 5017.69,5066 5424.69,5066 5481.69,5123 v2(5711.95,5123) 5979.69,5123 6295.69,4807 v1(6295.69,4608)
  Bottom Layer w4.02: U12.3@3595.87,4502.54 v2(3595.87,4558) ; U11.3@3724.2,5075.27 v2@3724.2,5123 ; v2(4718.69,5123) 4718.69,5075.63 U9.3@4719.05,5075.27 ; U10.3@5711.95,5075.27 v2(5711.95,5123)
SPI3_SCK: U9.2 U10.2 U11.2 U12.2 U15.B9 | length 4524.2
  Top Layer w4.02: v1(6312.69,4627) 6312.69,4567 6389.31,4490.38 6389.31,4338.98 6416.87,4311.42 6492.66,4311.42 6503.5,4300.57 6503.5,4274.03 U15.B9@6519.21,4258.23
  Inner2 w4.02: v2(3545.69,4558) 3577.69,4590 3577.69,4954.21 3545.69,4986.21 3545.69,5112 3571.27,5137.58 3981.1,5137.58 4039.69,5079 4370.69,5079 4431.69,5140 v2(4668.69,5140) 4964.69,5140 5028.69,5076 5408.69,5076 5472.69,5140 v2(5661.69,5140) 5989.69,5140 6312.69,4817 v1(6312.69,4627)
  Bottom Layer w4.02: v2(3545.69,4558) 3545.87,4557.82 U12.2@3545.87,4502.54 ; U11.2@3674.2,5075.27 3674.69,5075.76 v2(3674.69,5138) ; v2(4668.69,5140) 4668.69,5075.63 U9.2@4669.05,5075.27 ; U10.2@5661.95,5075.27 v2@5661.95,5133
SWCLK: J1.4 U15.A9 | length 1613.5
  Top Layer w4.02: v1(6424.74,4291.73) 6458.2,4258.27 U15.A9@6487.74,4258.27
  Bottom Layer w4.02: v1(6424.74,4291.73) 6428.68,4295.67 6428.68,4522.05 6572.63,4666 6955.69,4666 7036.69,4585 7185.69,4585 7381.69,4781 7381.69,4852.22 J1.4@7456.68,4927.23
SWDIO: J1.3 U15.A10 | length 1474.5
  Top Layer w4.02: v1(6451.31,4291.73) 6453.28,4289.76 U15.A10@6487.74,4289.76
  Bottom Layer w4.02: v1(6451.31,4291.73) 6442.5,4300.53 6442.5,4515.93 6578.57,4652 6950.69,4652 7030.69,4572 7189.69,4572 7444.91,4827.22 J1.3@7456.68,4827.23
USB5V: D5.5 Q6.2 USBC1.A4 USBC1.A9 USBC1.B4 USBC1.B9 | length 1255.9
  Top Layer w10: USBC1.A9@6938.23,5038.42 6938.23,5058.1 6980.13,5100 7093.69,5100 USBC1.B9@7129.69,5064 ; v1(6942.69,4988) USBC1.A9@6942.69,5031.05 ; D5.5@7029.6,4919.78 7029.69,4919.87 v1(7029.69,4954) ; v1(7131.69,4989) USBC1.B9@7131.69,5033.94 ; USBC1.B9@7129.69,5064 7129.69,5047.75 USBC1.A4@7139.02,5038.42 7139.02,5054.67 USBC1.B9@7129.69,5064
  Top Layer w19.68: Q6.2@6618.92,4647.55 6844.23,4647.55 6877.69,4681 6877.69,4910 6942.69,4975 v1(6942.69,4988)
  Bottom Layer w19.68: v1(6942.69,4988) 7026.24,4988 ; v1(7029.69,4954) 7029.69,4984.56 7026.24,4988 ; v1(7131.69,4989) 7130.69,4988 7026.24,4988
USB_DM: R37.2 U15.C10 | length 835.3
  Top Layer w4.02: v1(6547.77,4309.45) 6547.77,4292.72 U15.C10@6550.73,4289.76 ; v1(6562.69,4559) 6572.69,4569 6838.69,4569 6964.69,4695 7029.43,4695 7051.9,4717.47 R37.2@7051.9,4721.23
  Bottom Layer w4.02: v1(6547.77,4309.45) 6562.69,4324.36 v1(6562.69,4559)
USB_DP: R36.2 U15.B10 | length 814.9
  Top Layer w4.02: U15.B10@6519.23,4289.76 v1(6519.23,4309.45) ; v1(6538.91,4559.45) 6559.46,4580 6830.69,4580 6970.61,4719.93 7006.31,4719.93 R36.2@7007.61,4721.23 R36.2@7007.61,4719.93
  Bottom Layer w4.02: v1(6519.23,4309.45) 6538.91,4329.13 v1(6538.91,4559.45)
VPP1: C13.2 C17.2 D1.2 R13.2 R23.2 R31.2 T1.1 | length 1851
  Top Layer w10: D1.2@4599.95,4891.89 4606.83,4885.01 R13.2@4606.84,4824.73
  Top Layer w19.68: C17.2@4466.1,5030.5 4466.69,5029.91 C13.2@4466.69,4900.19 ; v2(4466.69,4812) C13.2@4466.69,4900.19 ; v2(4510.69,4356) R31.2@4511.89,4354.79 ; R31.2@4511.89,4333.18 R31.2@4511.89,4354.79 ; v2@4511.89,4379.79 R31.2@4511.89,4354.79 ; D1.2@4599.95,4891.89 4591.26,4900.58 C13.2@4467.08,4900.58 C13.2@4466.69,4900.19
  Inner2 w19.68: v2(4467.08,4843.62) 4467.08,4812.39 v2(4466.69,4812) 4466.69,4555 4510.69,4511 v2(4510.69,4381) v2(4510.69,4356)
  Bottom Layer w10: T1.1@4466.36,4811.9 4538.25,4740 5135.69,4740 5179.69,4784 5237.69,4784 5259.66,4762.03 R23.2@5259.66,4741.54
VPP2: C14.2 C18.2 D2.2 R14.2 R25.2 R32.2 T2.1 | length 1189.4
  Top Layer w10: D2.2@5587.47,4891.89 5596.31,4883.05 R14.2@5596.32,4824.9
  Top Layer w19.68: R32.2@5456.1,4330.13 5456.1,4351.63 5481.8,4377.33 v1@5507.4,4377.33 ; C18.2@5456.97,5030.27 C14.2@5456.97,4899.69 ; v2(5457.69,4808) 5456.96,4808.72 C14.2@5456.97,4899.69 ; D2.2@5587.47,4891.89 5579.67,4899.69 C14.2@5456.97,4899.69
  Inner2 w19.68: v2(5457.69,4838) v2(5457.69,4808) 5507.69,4758 5507.69,4377.62 v1(5507.42,4377.36) 5506.44,4376.38 v1(5487.73,4376.38)
  Bottom Layer w10: R25.2@5321.65,4741.66 5321.65,4768.97 5339.69,4787 5438.94,4787 T2.1@5456.84,4804.9
VPP4: C16.2 C23.2 D4.2 K1.4 R19.2 R29.2 T4.1 | length 2009.1
  Top Layer w10: D4.2@3478.34,4310.04 3484.39,4304 R19.2@3484.39,4242.44
  Top Layer w19.68: K1.4@3329.3,4058.01 3328.69,4058.63 3328.69,4137 3349.69,4158 v2(3349.69,4215) C16.2@3349.69,4323.27 ; C23.2@3348.6,4454.29 C16.2@3348.6,4324.36 C16.2@3349.69,4323.27 ; D4.2@3478.34,4310.04 3362.92,4310.04 C16.2@3349.69,4323.27
  Bottom Layer w10: v2(3349.69,4215) 3351.69,4215 3389.69,4177 3900.69,4177 4115.69,4392 4115.69,4669.98 4219.71,4774 4287.37,4774 4297.37,4764 R29.2@4297.37,4742.53
"": FPC1.80 FPC1.81 FPC1.82 FPC2.1 FPC2.2 FPC2.3 FPC2.4 FPC2.5 FPC2.6 FPC2.7 FPC2.8 FPC2.9 FPC2.10 FPC2.11 FPC2.12 FPC2.13 FPC2.14 FPC2.15 FPC2.16 FPC2.17 FPC2.18 FPC2.19 FPC2.20 FPC2.21 FPC2.22 FPC2.26 FPC2.81 FPC2.82 K1.5 K1.6 K1.7 pad.83@3137.8,3118.11 pad.83@7389.76,3118.11 U13.A1 U13.A2 U13.B1 U13.C1 U13.C2 U13.D1 U13.D2 U13.D3 U13.D4 U13.D5 U13.D6 U13.D7 U13.D8 U13.D9 U13.D10 U13.E1 U13.E2 U13.E3 U13.E4 U13.E7 U13.E10 U13.F1 U13.F2 U13.F3 U13.F4 U13.F10 U13.G1 U13.G2 U13.G3 U13.G4 U13.G10 U13.H1 U13.H2 U13.H3 U13.H4 U13.H10 U13.J1 U13.J2 U13.J3 U13.J4 U13.J10 U13.K1 U13.K2 U13.K3 U13.K4 U13.K9 U13.K10 U13.L1 U13.L2 U13.L3 U13.L4 U13.L5 U13.L10 U13.M1 U13.M2 U13.M3 U13.M4 U13.M5 U13.N1 U13.N2 U13.N3 U13.N4 U13.N5 U14.A1 U14.A2 U14.B1 U14.C1 U14.C2 U14.D1 U14.D2 U14.D3 U14.D4 U14.D5 U14.D6 U14.D7 U14.D8 U14.D9 U14.D10 U14.E1 U14.E2 U14.E3 U14.E4 U14.E7 U14.E10 U14.F1 U14.F2 U14.F3 U14.F4 U14.F10 U14.G1 U14.G2 U14.G3 U14.G4 U14.G10 U14.H1 U14.H2 U14.H3 U14.H4 U14.H10 U14.J1 U14.J2 U14.J3 U14.J4 U14.J10 U14.K1 U14.K2 U14.K3 U14.K4 U14.K9 U14.K10 U14.L1 U14.L2 U14.L3 U14.L4 U14.L5 U14.L10 U14.M1 U14.M2 U14.M3 U14.M4 U14.M5 U14.N1 U14.N2 U14.N3 U14.N4 U14.N5 U15.A1 U15.A4 U15.A5 U15.A6 U15.A7 U15.B1 U15.B4 U15.B5 U15.B8 U15.C5 U15.C6 U15.C9 U15.D6 U15.D9 U15.D10 U15.E3 U15.F3 U15.G3 U15.G5 U15.G10 U15.H3 U15.H5 U15.H10 U15.J2 U15.J3 U15.J4 U15.J7 U15.J8 U15.K3 U15.K4 U15.K7 U15.K8 USBC1.A8 USBC1.B8 X1.2 X1.4

## Polygon pours and split planes (outlines as drawn)
HVGND on Bottom Layer (solid, remove dead copper, pour order 0): 3019.69,3334.25 3019.69,5284 6002.77,5284 6002.77,4676.91 6004.69,4675 4092.69,4675 4092.69,4035 3389.69,3332 3021.93,3332
HVGND on Inner1 (solid, remove dead copper, pour order 1): 3019.19,3333.25 3019.19,5283 6002.27,5283 6002.27,4675.91 6004.19,4674 4092.19,4674 4092.19,4034 3389.19,3331 3021.43,3331
HVGND on Inner2 (solid, remove dead copper, pour order 2): 3017.19,3332.25 3017.19,5282 6000.27,5282 6000.27,4674.91 6002.19,4673 4090.19,4673 4090.19,4033 3387.19,3330 3019.43,3330
DGND on Bottom Layer (solid, remove dead copper, pour order 3): 4109.69,4659 6016.69,4659 6016.69,5282 6017.69,5283 7507.69,5283 7508.69,5284 7508.69,3641.49 6683.2,3641.49 6062.69,4262 4112.69,4262 4111.69,4261 4109.69,4263
DGND on Inner1 (solid, remove dead copper, pour order 4): 4109.19,4659.26 6016.19,4659.26 6016.19,5282.26 6017.19,5283.26 7507.19,5283.26 7508.19,5284.26 7508.19,3641.74 6682.7,3641.74 6062.19,4262.26 4112.19,4262.26 4111.19,4261.26 4109.19,4263.26

## Keep-outs
Bottom Layer:
  region net "": 3275.59,5165.35 ccw(c3137.8,5165.35) 3000,5165.35 ccw(c3137.8,5165.35)
  region net "": 7527.56,5165.35 ccw(c7389.76,5165.35) 7251.97,5165.35 ccw(c7389.76,5165.35)
Board Outline Layer:
  lines w3.94 net "": 7507.87,5165.25 ccw(c7389.76,5165.35) 7389.76,5283.46 3137.8,5283.46 ccw(c3137.8,5165.35) 3019.69,5165.35 3019.69,3118.11 ccw(c3137.8,3118.11) 3137.8,3000 7389.76,3000 ccw(c7389.76,3118.11) 7507.87,3118.11 7507.87,5165.35

## Other copper
Top Layer:
  drawing of 1105 lines, arcs and shapes, not listed